# KiCad board first_keyboard.kicad_pcb (continued)
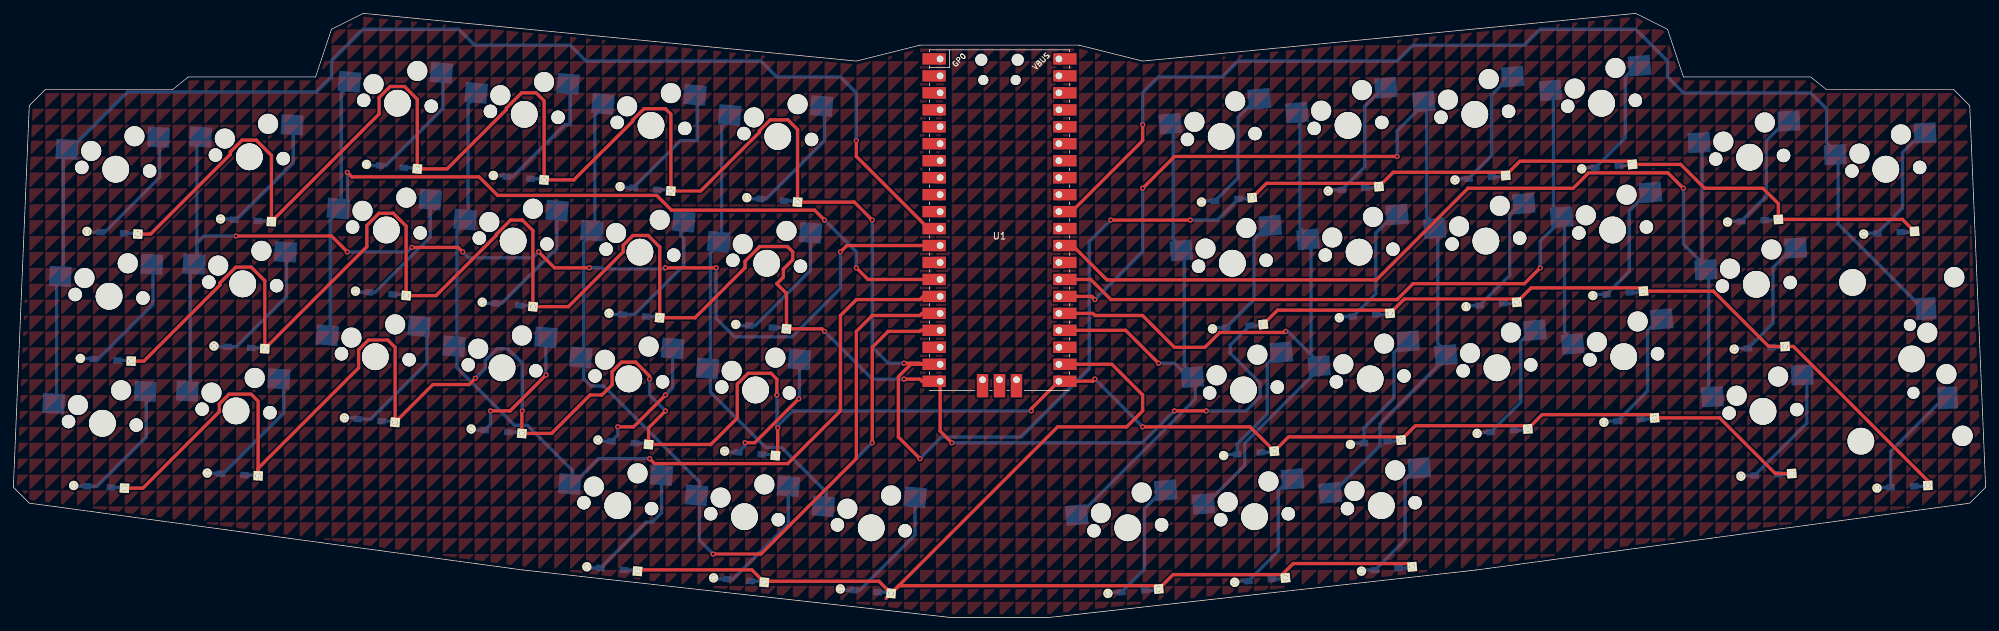
[diagram p0: board, top side]
## Copper pours and planes (outline as drawn; the poured copper is in the pictures) (continued)
(no net) on Top, Bottom: 154.78,150.02 154.78,147.64 157.16,150.02
(no net) on Top, Bottom: 202.41,92.87 202.41,90.49 204.79,92.87
(no net) on Top, Bottom: 197.64,9.53 197.64,7.14 200.02,9.53
(no net) on Top, Bottom: 259.56,57.15 259.56,54.77 261.94,57.15
(no net) on Top, Bottom: 190.5,140.49 190.5,138.11 192.88,140.49
(no net) on Top, Bottom: 183.36,-30.96 183.36,-33.34 185.74,-30.96
(no net) on Top, Bottom: 28.58,9.53 28.58,7.14 30.96,9.53
(no net) on Top, Bottom: 26.19,-38.1 26.19,-40.48 28.58,-38.1
(no net) on Top, Bottom: 30.96,16.67 30.96,14.29 33.34,16.67
(no net) on Top, Bottom: 285.75,19.05 285.75,16.67 288.13,19.05
(no net) on Top, Bottom: 266.7,111.92 266.7,109.54 269.08,111.92
(no net) on Top, Bottom: 247.65,100.01 247.65,97.63 250.03,100.01
(no net) on Top, Bottom: 107.16,116.68 107.16,114.3 109.54,116.68
(no net) on Top, Bottom: 250.03,109.54 250.03,107.16 252.41,109.54
(no net) on Top, Bottom: 130.97,78.58 130.97,76.2 133.35,78.58
(no net) on Top, Bottom: 71.44,50.01 71.44,47.62 73.82,50.01
(no net) on Top, Bottom: 250.03,-23.81 250.03,-26.19 252.41,-23.81
(no net) on Top, Bottom: 52.39,-21.43 52.39,-23.81 54.77,-21.43
(no net) on Top, Bottom: 195.26,80.96 195.26,78.58 197.64,80.96
(no net) on Top, Bottom: 161.93,-4.76 161.93,-7.14 164.31,-4.76
(no net) on Top, Bottom: 30.96,123.83 30.96,121.44 33.34,123.83
(no net) on Top, Bottom: 202.41,42.86 202.41,40.48 204.79,42.86
(no net) on Top, Bottom: 250.03,-9.53 250.03,-11.91 252.41,-9.53
(no net) on Top, Bottom: 83.34,85.72 83.34,83.34 85.73,85.72
(no net) on Top, Bottom: 88.11,-38.1 88.11,-40.48 90.49,-38.1
(no net) on Top, Bottom: 97.63,138.11 97.63,135.73 100.01,138.11
(no net) on Top, Bottom: 88.11,114.3 88.11,111.92 90.49,114.3
(no net) on Top, Bottom: 245.27,-28.57 245.27,-30.96 247.65,-28.57
(no net) on Top, Bottom: 264.32,135.73 264.32,133.35 266.7,135.73
(no net) on Top, Bottom: 92.87,66.68 92.87,64.29 95.25,66.68
(no net) on Top, Bottom: 192.88,83.34 192.88,80.96 195.26,83.34
(no net) on Top, Bottom: 73.82,-35.72 73.82,-38.1 76.2,-35.72
(no net) on Top, Bottom: 292.89,-30.96 292.89,-33.34 295.27,-30.96
(no net) on Top, Bottom: 78.58,9.53 78.58,7.14 80.96,9.53
(no net) on Top, Bottom: 295.27,133.35 295.27,130.97 297.66,133.35
(no net) on Top, Bottom: 183.36,107.16 183.36,104.78 185.74,107.16
(no net) on Top, Bottom: 238.12,4.76 238.12,2.38 240.51,4.76
(no net) on Top, Bottom: 92.87,-19.05 92.87,-21.43 95.25,-19.05
(no net) on Top, Bottom: 42.86,-26.19 42.86,-28.57 45.24,-26.19
(no net) on Top, Bottom: 207.17,21.43 207.17,19.05 209.55,21.43
(no net) on Top, Bottom: 135.73,19.05 135.73,16.67 138.11,19.05
(no net) on Top, Bottom: 233.36,102.39 233.36,100.01 235.74,102.39
(no net) on Top, Bottom: 195.26,-23.81 195.26,-26.19 197.64,-23.81
(no net) on Top, Bottom: 166.69,-23.81 166.69,-26.19 169.07,-23.81
(no net) on Top, Bottom: 164.31,88.11 164.31,85.72 166.69,88.11
(no net) on Top, Bottom: 261.94,38.1 261.94,35.72 264.32,38.1
(no net) on Top, Bottom: 159.54,-14.29 159.54,-16.67 161.93,-14.29
(no net) on Top, Bottom: 300.04,45.24 300.04,42.86 302.42,45.24
(no net) on Top, Bottom: 54.77,59.53 54.77,57.15 57.15,59.53
(no net) on Top, Bottom: 242.89,73.82 242.89,71.44 245.27,73.82
(no net) on Top, Bottom: 11.91,14.29 11.91,11.91 14.29,14.29
(no net) on Top, Bottom: 257.18,130.97 257.18,128.59 259.56,130.97
(no net) on Top, Bottom: 195.26,50.01 195.26,47.62 197.64,50.01
(no net) on Top, Bottom: 128.59,11.91 128.59,9.53 130.97,11.91
(no net) on Top, Bottom: 209.55,-35.72 209.55,-38.1 211.93,-35.72
(no net) on Top, Bottom: 214.31,21.43 214.31,19.05 216.69,21.43
(no net) on Top, Bottom: 159.54,83.34 159.54,80.96 161.93,83.34
(no net) on Top, Bottom: 242.89,66.68 242.89,64.29 245.27,66.68
(no net) on Top, Bottom: 178.59,140.49 178.59,138.11 180.98,140.49
(no net) on Top, Bottom: 173.83,147.64 173.83,145.26 176.21,147.64
(no net) on Top, Bottom: 235.74,-33.34 235.74,-35.72 238.12,-33.34
(no net) on Top, Bottom: 304.8,76.2 304.8,73.82 307.18,76.2
(no net) on Top, Bottom: 235.74,97.63 235.74,95.25 238.12,97.63
(no net) on Top, Bottom: 180.98,78.58 180.98,76.2 183.36,78.58
(no net) on Top, Bottom: 83.34,38.1 83.34,35.72 85.73,38.1
(no net) on Top, Bottom: 119.06,16.67 119.06,14.29 121.44,16.67
(no net) on Top, Bottom: 176.21,69.06 176.21,66.68 178.59,69.06
(no net) on Top, Bottom: 133.35,107.16 133.35,104.78 135.73,107.16
(no net) on Top, Bottom: 171.45,19.05 171.45,16.67 173.83,19.05
(no net) on Top, Bottom: 273.84,128.59 273.84,126.21 276.22,128.59
(no net) on Top, Bottom: 171.45,-26.19 171.45,-28.57 173.83,-26.19
(no net) on Top, Bottom: 164.31,97.63 164.31,95.25 166.69,97.63
(no net) on Top, Bottom: 250.03,-16.67 250.03,-19.05 252.41,-16.67
(no net) on Top, Bottom: 202.41,-30.96 202.41,-33.34 204.79,-30.96
(no net) on Top, Bottom: 30.96,102.39 30.96,100.01 33.34,102.39
(no net) on Top, Bottom: 288.13,97.63 288.13,95.25 290.51,97.63
(no net) on Top, Bottom: 245.27,59.53 245.27,57.15 247.65,59.53
(no net) on Top, Bottom: 21.43,111.92 21.43,109.54 23.81,111.92
(no net) on Top, Bottom: 152.4,9.53 152.4,7.14 154.78,9.53
(no net) on Top, Bottom: 226.22,97.63 226.22,95.25 228.6,97.63
(no net) on Top, Bottom: 116.68,119.06 116.68,116.68 119.06,119.06
(no net) on Top, Bottom: 90.49,97.63 90.49,95.25 92.87,97.63
(no net) on Top, Bottom: 202.41,102.39 202.41,100.01 204.79,102.39
(no net) on Top, Bottom: 178.59,33.34 178.59,30.96 180.98,33.34
(no net) on Top, Bottom: 107.16,97.63 107.16,95.25 109.54,97.63
(no net) on Top, Bottom: 142.88,0 142.88,-2.38 145.26,0
(no net) on Top, Bottom: 9.53,57.15 9.53,54.77 11.91,57.15
(no net) on Top, Bottom: 276.22,-4.76 276.22,-7.14 278.61,-4.76
(no net) on Top, Bottom: 97.63,78.58 97.63,76.2 100.01,78.58
(no net) on Top, Bottom: 216.69,30.96 216.69,28.57 219.07,30.96
(no net) on Top, Bottom: 195.26,147.64 195.26,145.26 197.64,147.64
(no net) on Top, Bottom: 200.02,23.81 200.02,21.43 202.41,23.81
(no net) on Top, Bottom: 292.89,7.14 292.89,4.76 295.27,7.14
(no net) on Top, Bottom: 130.97,135.73 130.97,133.35 133.35,135.73
(no net) on Top, Bottom: 276.22,95.25 276.22,92.87 278.61,95.25
(no net) on Top, Bottom: 230.98,76.2 230.98,73.82 233.36,76.2
(no net) on Top, Bottom: 50.01,107.16 50.01,104.78 52.39,107.16
(no net) on Top, Bottom: 266.7,35.72 266.7,33.34 269.08,35.72
(no net) on Top, Bottom: 295.27,57.15 295.27,54.77 297.66,57.15
(no net) on Top, Bottom: 245.27,92.87 245.27,90.49 247.65,92.87
(no net) on Top, Bottom: 9.53,21.43 9.53,19.05 11.91,21.43
(no net) on Top, Bottom: 209.55,142.88 209.55,140.49 211.93,142.88
(no net) on Top, Bottom: 188.12,135.73 188.12,133.35 190.5,135.73
(no net) on Top, Bottom: 197.64,2.38 197.64,0 200.02,2.38
(no net) on Top, Bottom: 111.92,-38.1 111.92,-40.48 114.3,-38.1
(no net) on Top, Bottom: 19.05,30.96 19.05,28.57 21.43,30.96
(no net) on Top, Bottom: 283.37,-14.29 283.37,-16.67 285.75,-14.29
(no net) on Top, Bottom: 7.14,40.48 7.14,38.1 9.53,40.48
(no net) on Top, Bottom: 128.59,97.63 128.59,95.25 130.97,97.63
(no net) on Top, Bottom: 300.04,140.49 300.04,138.11 302.42,140.49
(no net) on Top, Bottom: 192.88,121.44 192.88,119.06 195.26,121.44
(no net) on Top, Bottom: 269.08,76.2 269.08,73.82 271.46,76.2
(no net) on Top, Bottom: 202.41,150.02 202.41,147.64 204.79,150.02
(no net) on Top, Bottom: 292.89,-14.29 292.89,-16.67 295.27,-14.29
(no net) on Top, Bottom: 19.05,83.34 19.05,80.96 21.43,83.34
(no net) on Top, Bottom: 83.34,-9.53 83.34,-11.91 85.73,-9.53
(no net) on Top, Bottom: 254.79,-21.43 254.79,-23.81 257.18,-21.43
(no net) on Top, Bottom: 290.51,138.11 290.51,135.73 292.89,138.11
(no net) on Top, Bottom: 9.53,59.53 9.53,57.15 11.91,59.53
(no net) on Top, Bottom: 278.61,59.53 278.61,57.15 280.99,59.53
(no net) on Top, Bottom: 111.92,111.92 111.92,109.54 114.3,111.92
(no net) on Top, Bottom: 21.43,38.1 21.43,35.72 23.81,38.1
(no net) on Top, Bottom: 7.14,28.57 7.14,26.19 9.53,28.57
(no net) on Top, Bottom: 280.99,33.34 280.99,30.96 283.37,33.34
(no net) on Top, Bottom: 304.8,135.73 304.8,133.35 307.18,135.73
(no net) on Top, Bottom: 107.16,-21.43 107.16,-23.81 109.54,-21.43
(no net) on Top, Bottom: 269.08,-30.96 269.08,-33.34 271.46,-30.96
(no net) on Top, Bottom: 178.59,-26.19 178.59,-28.57 180.98,-26.19
(no net) on Top, Bottom: 221.46,26.19 221.46,23.81 223.84,26.19
(no net) on Top, Bottom: 59.53,126.21 59.53,123.83 61.91,126.21
(no net) on Top, Bottom: 238.12,52.39 238.12,50.01 240.51,52.39
(no net) on Top, Bottom: 114.3,145.26 114.3,142.88 116.68,145.26
(no net) on Top, Bottom: 247.65,102.39 247.65,100.01 250.03,102.39
(no net) on Top, Bottom: 171.45,2.38 171.45,0 173.83,2.38
(no net) on Top, Bottom: 195.26,102.39 195.26,100.01 197.64,102.39
(no net) on Top, Bottom: 100.01,142.88 100.01,140.49 102.39,142.88
(no net) on Top, Bottom: 47.62,80.96 47.62,78.58 50.01,80.96
(no net) on Top, Bottom: 214.31,83.34 214.31,80.96 216.69,83.34
(no net) on Top, Bottom: 4.76,33.34 4.76,30.96 7.14,33.34
(no net) on Top, Bottom: 228.6,69.06 228.6,66.68 230.98,69.06
(no net) on Top, Bottom: 304.8,-30.96 304.8,-33.34 307.18,-30.96
(no net) on Top, Bottom: 242.89,76.2 242.89,73.82 245.27,76.2
(no net) on Top, Bottom: 30.96,61.91 30.96,59.53 33.34,61.91
(no net) on Top, Bottom: 100.01,7.14 100.01,4.76 102.39,7.14
(no net) on Top, Bottom: 285.75,92.87 285.75,90.49 288.13,92.87
(no net) on Top, Bottom: 47.62,128.59 47.62,126.21 50.01,128.59
(no net) on Top, Bottom: 250.03,76.2 250.03,73.82 252.41,76.2
(no net) on Top, Bottom: 219.07,54.77 219.07,52.39 221.46,54.77
(no net) on Top, Bottom: 102.39,-28.57 102.39,-30.96 104.77,-28.57
(no net) on Top, Bottom: 288.13,104.78 288.13,102.39 290.51,104.78
(no net) on Top, Bottom: 54.77,66.68 54.77,64.29 57.15,66.68
(no net) on Top, Bottom: 269.08,107.16 269.08,104.78 271.46,107.16
(no net) on Top, Bottom: 223.84,119.06 223.84,116.68 226.22,119.06
(no net) on Top, Bottom: 271.46,-11.91 271.46,-14.29 273.84,-11.91
(no net) on Top, Bottom: 30.96,30.96 30.96,28.57 33.34,30.96
(no net) on Top, Bottom: 166.69,119.06 166.69,116.68 169.07,119.06
(no net) on Top, Bottom: 145.26,59.53 145.26,57.15 147.64,59.53
(no net) on Top, Bottom: 161.93,-35.72 161.93,-38.1 164.31,-35.72
(no net) on Top, Bottom: 138.11,66.68 138.11,64.29 140.49,66.68
(no net) on Top, Bottom: 54.77,138.11 54.77,135.73 57.15,138.11
(no net) on Top, Bottom: 123.83,-4.76 123.83,-7.14 126.21,-4.76
(no net) on Top, Bottom: 126.21,16.67 126.21,14.29 128.59,16.67
(no net) on Top, Bottom: 114.3,-14.29 114.3,-16.67 116.68,-14.29
(no net) on Top, Bottom: 111.92,57.15 111.92,54.77 114.3,57.15
(no net) on Top, Bottom: 269.08,78.58 269.08,76.2 271.46,78.58
(no net) on Top, Bottom: 233.36,14.29 233.36,11.91 235.74,14.29
(no net) on Top, Bottom: 126.21,59.53 126.21,57.15 128.59,59.53
(no net) on Top, Bottom: 61.91,80.96 61.91,78.58 64.29,80.96
(no net) on Top, Bottom: 23.81,59.53 23.81,57.15 26.19,59.53
(no net) on Top, Bottom: 221.46,100.01 221.46,97.63 223.84,100.01
(no net) on Top, Bottom: 192.88,30.96 192.88,28.57 195.26,30.96
(no net) on Top, Bottom: 114.3,102.39 114.3,100.01 116.68,102.39
(no net) on Top, Bottom: 104.77,38.1 104.77,35.72 107.16,38.1
(no net) on Top, Bottom: 128.59,30.96 128.59,28.57 130.97,30.96
(no net) on Top, Bottom: 42.86,116.68 42.86,114.3 45.24,116.68
(no net) on Top, Bottom: 216.69,121.44 216.69,119.06 219.07,121.44
(no net) on Top, Bottom: 109.54,78.58 109.54,76.2 111.92,78.58
(no net) on Top, Bottom: 133.35,128.59 133.35,126.21 135.73,128.59
(no net) on Top, Bottom: 135.73,145.26 135.73,142.88 138.11,145.26
(no net) on Top, Bottom: 197.64,28.57 197.64,26.19 200.02,28.57
(no net) on Top, Bottom: 64.29,-38.1 64.29,-40.48 66.67,-38.1
(no net) on Top, Bottom: 52.39,4.76 52.39,2.38 54.77,4.76
(no net) on Top, Bottom: 26.19,54.77 26.19,52.39 28.58,54.77
(no net) on Top, Bottom: 95.25,-2.38 95.25,-4.76 97.63,-2.38
(no net) on Top, Bottom: 116.68,102.39 116.68,100.01 119.06,102.39
(no net) on Top, Bottom: 73.82,119.06 73.82,116.68 76.2,119.06
(no net) on Top, Bottom: 130.97,83.34 130.97,80.96 133.35,83.34
(no net) on Top, Bottom: 50.01,16.67 50.01,14.29 52.39,16.67
(no net) on Top, Bottom: 7.14,107.16 7.14,104.78 9.53,107.16
(no net) on Top, Bottom: 88.11,14.29 88.11,11.91 90.49,14.29
(no net) on Top, Bottom: 228.6,142.88 228.6,140.49 230.98,142.88
(no net) on Top, Bottom: 190.5,111.92 190.5,109.54 192.88,111.92
(no net) on Top, Bottom: 14.29,107.16 14.29,104.78 16.67,107.16
(no net) on Top, Bottom: 278.61,0 278.61,-2.38 280.99,0
(no net) on Top, Bottom: 211.93,64.29 211.93,61.91 214.31,64.29
(no net) on Top, Bottom: 42.86,54.77 42.86,52.39 45.24,54.77
(no net) on Top, Bottom: 197.64,97.63 197.64,95.25 200.02,97.63
(no net) on Top, Bottom: 11.91,76.2 11.91,73.82 14.29,76.2
(no net) on Top, Bottom: 235.74,85.72 235.74,83.34 238.12,85.72
(no net) on Top, Bottom: 292.89,119.06 292.89,116.68 295.27,119.06
(no net) on Top, Bottom: 204.79,-4.76 204.79,-7.14 207.17,-4.76
(no net) on Top, Bottom: 42.86,11.91 42.86,9.53 45.24,11.91
(no net) on Top, Bottom: 202.41,57.15 202.41,54.77 204.79,57.15
(no net) on Top, Bottom: 297.66,140.49 297.66,138.11 300.04,140.49
(no net) on Top, Bottom: 78.58,50.01 78.58,47.62 80.96,50.01
(no net) on Top, Bottom: 200.02,-16.67 200.02,-19.05 202.41,-16.67
(no net) on Top, Bottom: 195.26,90.49 195.26,88.11 197.64,90.49
(no net) on Top, Bottom: 216.69,54.77 216.69,52.39 219.07,54.77
(no net) on Top, Bottom: 26.19,28.57 26.19,26.19 28.58,28.57
(no net) on Top, Bottom: 135.73,92.87 135.73,90.49 138.11,92.87
(no net) on Top, Bottom: 140.49,95.25 140.49,92.87 142.88,95.25
(no net) on Top, Bottom: 183.36,16.67 183.36,14.29 185.74,16.67
(no net) on Top, Bottom: 173.83,47.62 173.83,45.24 176.21,47.62
(no net) on Top, Bottom: 26.19,38.1 26.19,35.72 28.58,38.1
(no net) on Top, Bottom: 204.79,119.06 204.79,116.68 207.17,119.06
(no net) on Top, Bottom: 52.39,145.26 52.39,142.88 54.77,145.26
(no net) on Top, Bottom: 4.76,38.1 4.76,35.72 7.14,38.1
(no net) on Top, Bottom: 159.54,57.15 159.54,54.77 161.93,57.15
(no net) on Top, Bottom: 292.89,54.77 292.89,52.39 295.27,54.77
(no net) on Top, Bottom: 30.96,-9.53 30.96,-11.91 33.34,-9.53
(no net) on Top, Bottom: 178.59,71.44 178.59,69.06 180.98,71.44
(no net) on Top, Bottom: 214.31,19.05 214.31,16.67 216.69,19.05
(no net) on Top, Bottom: 250.03,-7.14 250.03,-9.53 252.41,-7.14
(no net) on Top, Bottom: 150.02,83.34 150.02,80.96 152.4,83.34
(no net) on Top, Bottom: 228.6,-14.29 228.6,-16.67 230.98,-14.29
(no net) on Top, Bottom: 214.31,11.91 214.31,9.53 216.69,11.91
(no net) on Top, Bottom: 66.67,21.43 66.67,19.05 69.06,21.43
(no net) on Top, Bottom: 71.44,90.49 71.44,88.11 73.82,90.49
(no net) on Top, Bottom: 130.97,133.35 130.97,130.97 133.35,133.35
(no net) on Top, Bottom: 71.44,140.49 71.44,138.11 73.82,140.49
(no net) on Top, Bottom: 216.69,7.14 216.69,4.76 219.07,7.14
(no net) on Top, Bottom: 19.05,90.49 19.05,88.11 21.43,90.49
(no net) on Top, Bottom: 285.75,-30.96 285.75,-33.34 288.13,-30.96
(no net) on Top, Bottom: 204.79,30.96 204.79,28.57 207.17,30.96
(no net) on Top, Bottom: 180.98,-14.29 180.98,-16.67 183.36,-14.29
(no net) on Top, Bottom: 261.94,-16.67 261.94,-19.05 264.32,-16.67
(no net) on Top, Bottom: 76.2,26.19 76.2,23.81 78.58,26.19
(no net) on Top, Bottom: 80.96,-28.57 80.96,-30.96 83.34,-28.57
(no net) on Top, Bottom: 16.67,109.54 16.67,107.16 19.05,109.54
(no net) on Top, Bottom: 254.79,64.29 254.79,61.91 257.18,64.29
(no net) on Top, Bottom: 228.6,61.91 228.6,59.53 230.98,61.91
(no net) on Top, Bottom: 204.79,9.53 204.79,7.14 207.17,9.53
(no net) on Top, Bottom: 195.26,33.34 195.26,30.96 197.64,33.34
(no net) on Top, Bottom: 119.06,7.14 119.06,4.76 121.44,7.14
(no net) on Top, Bottom: 257.18,116.68 257.18,114.3 259.56,116.68
(no net) on Top, Bottom: 271.46,140.49 271.46,138.11 273.84,140.49
(no net) on Top, Bottom: 202.41,66.68 202.41,64.29 204.79,66.68
(no net) on Top, Bottom: 285.75,90.49 285.75,88.11 288.13,90.49
(no net) on Top, Bottom: 135.73,-16.67 135.73,-19.05 138.11,-16.67
(no net) on Top, Bottom: 271.46,-26.19 271.46,-28.57 273.84,-26.19
(no net) on Top, Bottom: 83.34,-26.19 83.34,-28.57 85.73,-26.19
(no net) on Top, Bottom: 171.45,33.34 171.45,30.96 173.83,33.34
(no net) on Top, Bottom: 178.59,109.54 178.59,107.16 180.98,109.54
(no net) on Top, Bottom: 257.18,-11.91 257.18,-14.29 259.56,-11.91
(no net) on Top, Bottom: 28.58,40.48 28.58,38.1 30.96,40.48
(no net) on Top, Bottom: 240.51,50.01 240.51,47.62 242.89,50.01
(no net) on Top, Bottom: 302.42,107.16 302.42,104.78 304.8,107.16
(no net) on Top, Bottom: 223.84,-9.53 223.84,-11.91 226.22,-9.53
(no net) on Top, Bottom: 290.51,26.19 290.51,23.81 292.89,26.19
(no net) on Top, Bottom: 297.66,109.54 297.66,107.16 300.04,109.54
(no net) on Top, Bottom: 178.59,107.16 178.59,104.78 180.98,107.16
(no net) on Top, Bottom: 57.15,142.88 57.15,140.49 59.53,142.88
(no net) on Top, Bottom: 164.31,92.87 164.31,90.49 166.69,92.87
(no net) on Top, Bottom: 264.32,114.3 264.32,111.92 266.7,114.3
(no net) on Top, Bottom: 204.79,0 204.79,-2.38 207.17,0
(no net) on Top, Bottom: 121.44,119.06 121.44,116.68 123.83,119.06
(no net) on Top, Bottom: 176.21,111.92 176.21,109.54 178.59,111.92
(no net) on Top, Bottom: 161.93,95.25 161.93,92.87 164.31,95.25
(no net) on Top, Bottom: 157.16,9.53 157.16,7.14 159.54,9.53
(no net) on Top, Bottom: 171.45,71.44 171.45,69.06 173.83,71.44
(no net) on Top, Bottom: 261.94,-4.76 261.94,-7.14 264.32,-4.76
(no net) on Top, Bottom: 264.32,123.83 264.32,121.44 266.7,123.83
(no net) on Top, Bottom: 154.78,90.49 154.78,88.11 157.16,90.49
(no net) on Top, Bottom: 26.19,47.62 26.19,45.24 28.58,47.62
(no net) on Top, Bottom: 247.65,-2.38 247.65,-4.76 250.03,-2.38
(no net) on Top, Bottom: 259.56,-30.96 259.56,-33.34 261.94,-30.96
(no net) on Top, Bottom: 121.44,-4.76 121.44,-7.14 123.83,-4.76
(no net) on Top, Bottom: 100.01,64.29 100.01,61.91 102.39,64.29
(no net) on Top, Bottom: 130.97,16.67 130.97,14.29 133.35,16.67
(no net) on Top, Bottom: 219.07,47.62 219.07,45.24 221.46,47.62
(no net) on Top, Bottom: 242.89,80.96 242.89,78.58 245.27,80.96
(no net) on Top, Bottom: 85.73,7.14 85.73,4.76 88.11,7.14
(no net) on Top, Bottom: 33.34,64.29 33.34,61.91 35.72,64.29
(no net) on Top, Bottom: 121.44,26.19 121.44,23.81 123.83,26.19
(no net) on Top, Bottom: 245.27,57.15 245.27,54.77 247.65,57.15
(no net) on Top, Bottom: 66.67,76.2 66.67,73.82 69.06,76.2
(no net) on Top, Bottom: 209.55,135.73 209.55,133.35 211.93,135.73
(no net) on Top, Bottom: 238.12,-21.43 238.12,-23.81 240.51,-21.43
(no net) on Top, Bottom: 138.11,4.76 138.11,2.38 140.49,4.76
(no net) on Top, Bottom: 254.79,-4.76 254.79,-7.14 257.18,-4.76
(no net) on Top, Bottom: 252.41,95.25 252.41,92.87 254.79,95.25
(no net) on Top, Bottom: 4.76,-14.29 4.76,-16.67 7.14,-14.29
(no net) on Top, Bottom: 195.26,-35.72 195.26,-38.1 197.64,-35.72
(no net) on Top, Bottom: 0,33.34 0,30.96 2.38,33.34
(no net) on Top, Bottom: 0,30.96 0,28.57 2.38,30.96
(no net) on Top, Bottom: 92.87,26.19 92.87,23.81 95.25,26.19
(no net) on Top, Bottom: 42.86,78.58 42.86,76.2 45.24,78.58
(no net) on Top, Bottom: 76.2,104.78 76.2,102.39 78.58,104.78
(no net) on Top, Bottom: 195.26,52.39 195.26,50.01 197.64,52.39
(no net) on Top, Bottom: 207.17,-35.72 207.17,-38.1 209.55,-35.72
(no net) on Top, Bottom: 88.11,85.72 88.11,83.34 90.49,85.72
(no net) on Top, Bottom: 52.39,138.11 52.39,135.73 54.77,138.11
(no net) on Top, Bottom: 16.67,-11.91 16.67,-14.29 19.05,-11.91
(no net) on Top, Bottom: 147.64,35.72 147.64,33.34 150.02,35.72
(no net) on Top, Bottom: 152.4,-14.29 152.4,-16.67 154.78,-14.29
(no net) on Top, Bottom: 104.77,100.01 104.77,97.63 107.16,100.01
(no net) on Top, Bottom: 223.84,21.43 223.84,19.05 226.22,21.43
(no net) on Top, Bottom: 216.69,14.29 216.69,11.91 219.07,14.29
(no net) on Top, Bottom: 69.06,30.96 69.06,28.57 71.44,30.96
(no net) on Top, Bottom: 226.22,-35.72 226.22,-38.1 228.6,-35.72
(no net) on Top, Bottom: 280.99,-30.96 280.99,-33.34 283.37,-30.96
(no net) on Top, Bottom: 161.93,-28.57 161.93,-30.96 164.31,-28.57
(no net) on Top, Bottom: 252.41,109.54 252.41,107.16 254.79,109.54
(no net) on Top, Bottom: 140.49,92.87 140.49,90.49 142.88,92.87
(no net) on Top, Bottom: 138.11,-9.53 138.11,-11.91 140.49,-9.53
(no net) on Top, Bottom: 157.16,128.59 157.16,126.21 159.54,128.59
(no net) on Top, Bottom: 128.59,147.64 128.59,145.26 130.97,147.64
(no net) on Top, Bottom: 4.76,-9.53 4.76,-11.91 7.14,-9.53
(no net) on Top, Bottom: 192.88,-23.81 192.88,-26.19 195.26,-23.81
(no net) on Top, Bottom: 104.77,2.38 104.77,0 107.16,2.38
(no net) on Top, Bottom: 252.41,-21.43 252.41,-23.81 254.79,-21.43
(no net) on Top, Bottom: 278.61,-14.29 278.61,-16.67 280.99,-14.29
(no net) on Top, Bottom: 114.3,64.29 114.3,61.91 116.68,64.29
(no net) on Top, Bottom: 264.32,19.05 264.32,16.67 266.7,19.05
(no net) on Top, Bottom: 285.75,11.91 285.75,9.53 288.13,11.91
(no net) on Top, Bottom: 126.21,-4.76 126.21,-7.14 128.59,-4.76
(no net) on Top, Bottom: 271.46,85.72 271.46,83.34 273.84,85.72
(no net) on Top, Bottom: 100.01,66.68 100.01,64.29 102.39,66.68
(no net) on Top, Bottom: 111.92,90.49 111.92,88.11 114.3,90.49
(no net) on Top, Bottom: 80.96,123.83 80.96,121.44 83.34,123.83
(no net) on Top, Bottom: 9.53,71.44 9.53,69.06 11.91,71.44
(no net) on Top, Bottom: 61.91,102.39 61.91,100.01 64.29,102.39
(no net) on Top, Bottom: 171.45,-23.81 171.45,-26.19 173.83,-23.81
(no net) on Top, Bottom: 33.34,97.63 33.34,95.25 35.72,97.63
(no net) on Top, Bottom: 230.98,-9.53 230.98,-11.91 233.36,-9.53
(no net) on Top, Bottom: 47.62,0 47.62,-2.38 50.01,0
(no net) on Top, Bottom: 188.12,35.72 188.12,33.34 190.5,35.72
(no net) on Top, Bottom: 145.26,138.11 145.26,135.73 147.64,138.11
(no net) on Top, Bottom: 292.89,138.11 292.89,135.73 295.27,138.11
(no net) on Top, Bottom: 273.84,23.81 273.84,21.43 276.22,23.81
(no net) on Top, Bottom: 169.07,2.38 169.07,0 171.45,2.38
(no net) on Top, Bottom: 109.54,128.59 109.54,126.21 111.92,128.59
(no net) on Top, Bottom: 26.19,80.96 26.19,78.58 28.58,80.96
(no net) on Top, Bottom: 195.26,26.19 195.26,23.81 197.64,26.19
(no net) on Top, Bottom: 119.06,-16.67 119.06,-19.05 121.44,-16.67
(no net) on Top, Bottom: 9.53,104.78 9.53,102.39 11.91,104.78
(no net) on Top, Bottom: 209.55,104.78 209.55,102.39 211.93,104.78
(no net) on Top, Bottom: 88.11,52.39 88.11,50.01 90.49,52.39
(no net) on Top, Bottom: 166.69,145.26 166.69,142.88 169.07,145.26
(no net) on Top, Bottom: 150.02,95.25 150.02,92.87 152.4,95.25
(no net) on Top, Bottom: 195.26,121.44 195.26,119.06 197.64,121.44
(no net) on Top, Bottom: 245.27,97.63 245.27,95.25 247.65,97.63
(no net) on Top, Bottom: 145.26,-19.05 145.26,-21.43 147.64,-19.05
(no net) on Top, Bottom: 238.12,21.43 238.12,19.05 240.51,21.43
(no net) on Top, Bottom: 119.06,114.3 119.06,111.92 121.44,114.3
(no net) on Top, Bottom: 176.21,42.86 176.21,40.48 178.59,42.86
(no net) on Top, Bottom: 257.18,16.67 257.18,14.29 259.56,16.67
(no net) on Top, Bottom: 16.67,54.77 16.67,52.39 19.05,54.77
(no net) on Top, Bottom: 214.31,92.87 214.31,90.49 216.69,92.87
(no net) on Top, Bottom: 76.2,-9.53 76.2,-11.91 78.58,-9.53
(no net) on Top, Bottom: 128.59,102.39 128.59,100.01 130.97,102.39
(no net) on Top, Bottom: 0,21.43 0,19.05 2.38,21.43
(no net) on Top, Bottom: 188.12,140.49 188.12,138.11 190.5,140.49
(no net) on Top, Bottom: 180.98,54.77 180.98,52.39 183.36,54.77
(no net) on Top, Bottom: 85.73,121.44 85.73,119.06 88.11,121.44
(no net) on Top, Bottom: 78.58,-28.57 78.58,-30.96 80.96,-28.57
(no net) on Top, Bottom: 54.77,-38.1 54.77,-40.48 57.15,-38.1
(no net) on Top, Bottom: 292.89,-16.67 292.89,-19.05 295.27,-16.67
(no net) on Top, Bottom: 257.18,52.39 257.18,50.01 259.56,52.39
(no net) on Top, Bottom: 261.94,28.57 261.94,26.19 264.32,28.57
(no net) on Top, Bottom: 102.39,150.02 102.39,147.64 104.77,150.02
(no net) on Top, Bottom: 240.51,4.76 240.51,2.38 242.89,4.76
(no net) on Top, Bottom: 200.02,107.16 200.02,104.78 202.41,107.16
(no net) on Top, Bottom: 80.96,-30.96 80.96,-33.34 83.34,-30.96
(no net) on Top, Bottom: 300.04,30.96 300.04,28.57 302.42,30.96
(no net) on Top, Bottom: 14.29,11.91 14.29,9.53 16.67,11.91
(no net) on Top, Bottom: 276.22,-38.1 276.22,-40.48 278.61,-38.1
(no net) on Top, Bottom: 276.22,19.05 276.22,16.67 278.61,19.05
(no net) on Top, Bottom: 54.77,80.96 54.77,78.58 57.15,80.96
(no net) on Top, Bottom: 276.22,-23.81 276.22,-26.19 278.61,-23.81
(no net) on Top, Bottom: 130.97,142.88 130.97,140.49 133.35,142.88
(no net) on Top, Bottom: 19.05,-9.53 19.05,-11.91 21.43,-9.53
(no net) on Top, Bottom: 88.11,4.76 88.11,2.38 90.49,4.76
(no net) on Top, Bottom: 95.25,119.06 95.25,116.68 97.63,119.06
(no net) on Top, Bottom: 285.75,109.54 285.75,107.16 288.13,109.54
(no net) on Top, Bottom: 245.27,109.54 245.27,107.16 247.65,109.54
(no net) on Top, Bottom: 85.73,66.68 85.73,64.29 88.11,66.68
(no net) on Top, Bottom: 140.49,121.44 140.49,119.06 142.88,121.44
(no net) on Top, Bottom: 197.64,-30.96 197.64,-33.34 200.02,-30.96
(no net) on Top, Bottom: 85.73,88.11 85.73,85.72 88.11,88.11